# Altium PCB V1_PCB-main.PcbDoc (part 2 of 7)
Units mm, origin at the board's own origin, x right, y up, seen from the top; angles counter-clockwise.
Board outline 178 x 75 mm, 4 copper layers (Top Layer, Inner layer 1, Inner layer 2, Bottom Layer), stack 1.596 mm thick; 451 components, 230 nets, 1388 pads, 724 vias.
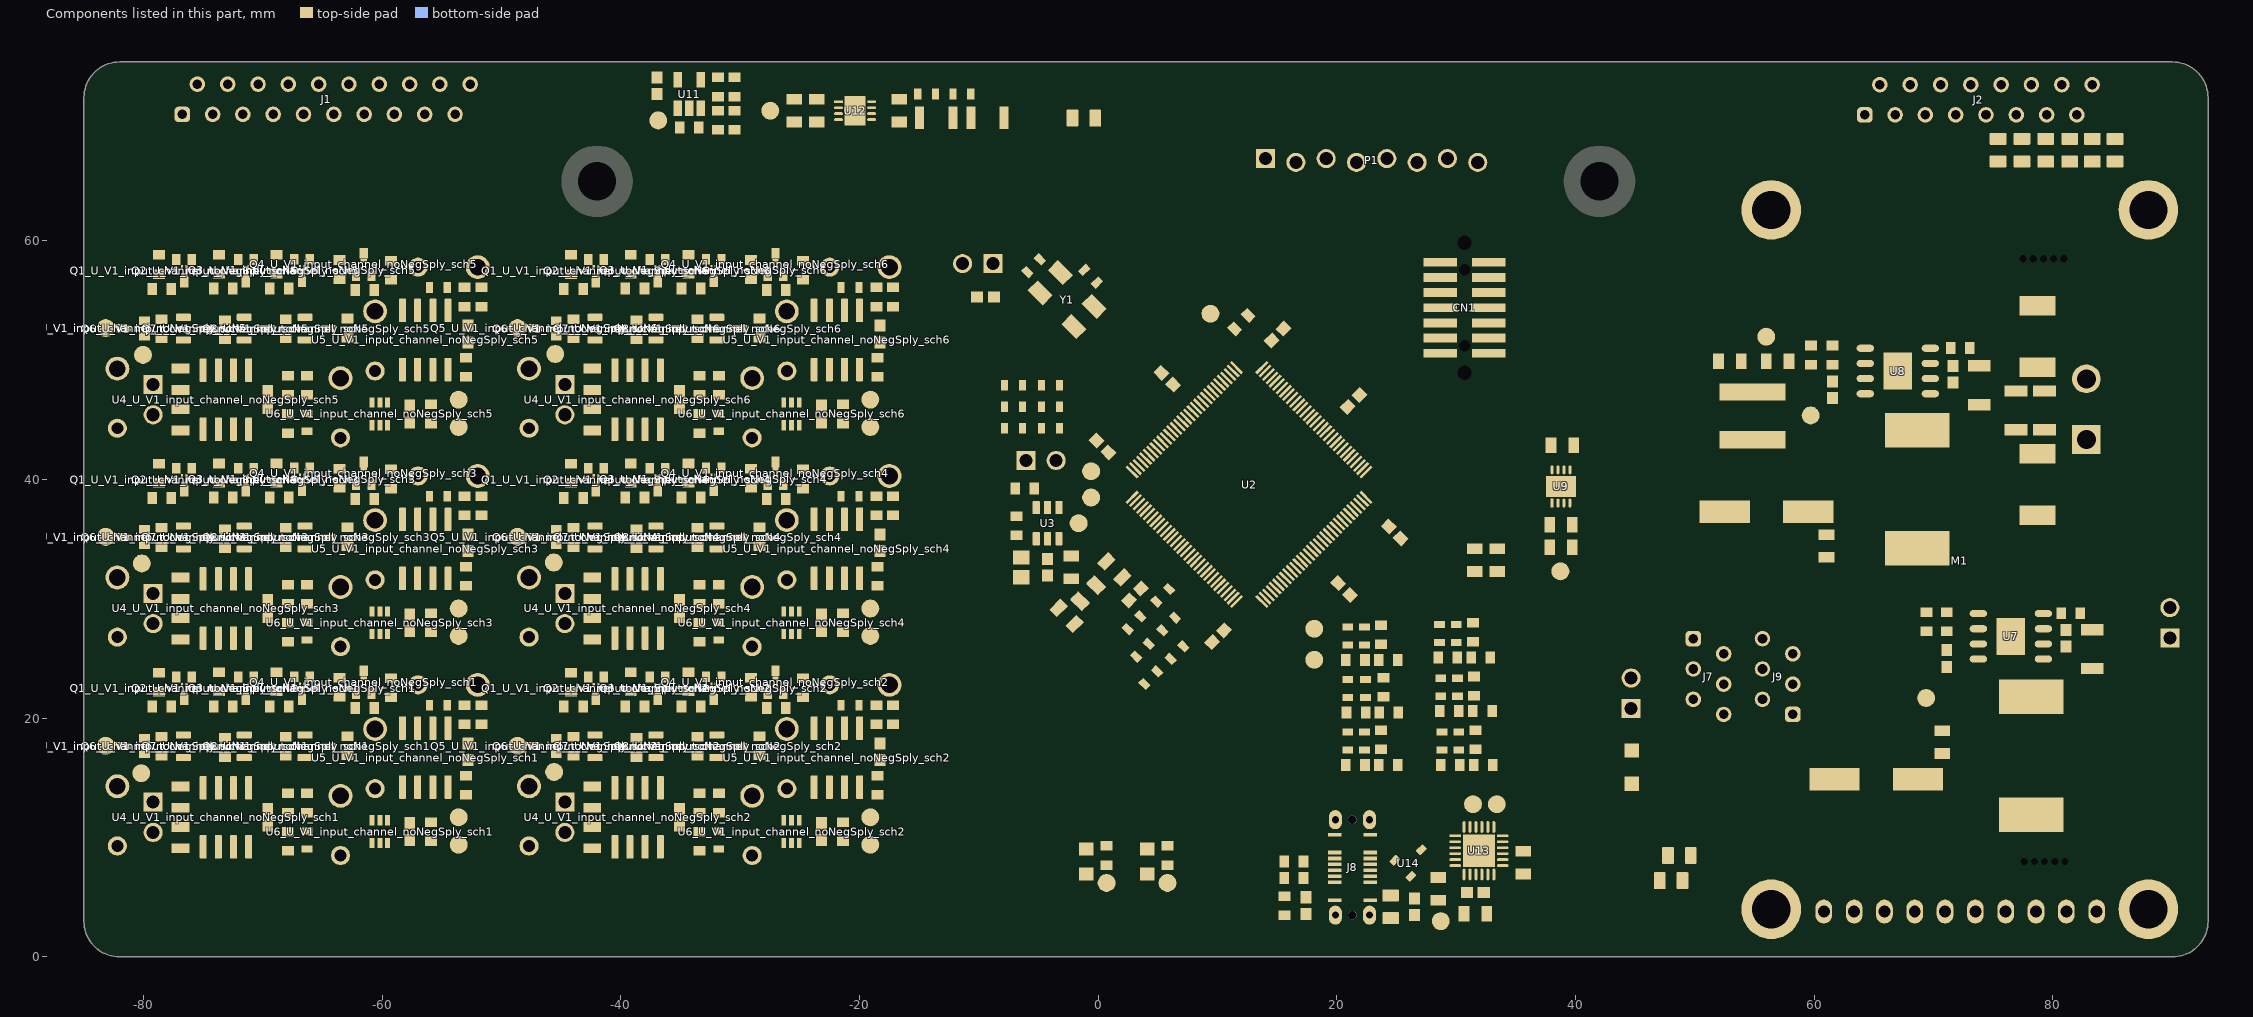
[diagram p4: the components of this part, seen from the top]

## Components (designator, comment, footprint, x,y, rotation, side; value= is the part's Value field where it differs from the comment) (continued)
R22_U_V1_input_channel_noNegSply_sch4 "PN_R0603_TBD" FPR_0603_R_R0 -18.6,37.8 r270 top value=TBD (schematic designator R22)
R22_U_V1_input_channel_noNegSply_sch5 "PN_R0603_TBD" FPR_0603_R_R0 -53.1,55.3 r270 top value=TBD (schematic designator R22)
R22_U_V1_input_channel_noNegSply_sch6 "PN_R0603_TBD" FPR_0603_R_R0 -18.6,55.3 r270 top value=TBD (schematic designator R22)
R23_U_V1_input_channel_noNegSply_sch1 "PN_R0603_10k" FPR_0603_R_R0 -61.475,20.875 r180 top value=10k (schematic designator R23)
R23_U_V1_input_channel_noNegSply_sch2 "PN_R0603_10k" FPR_0603_R_R0 -26.975,20.875 r180 top value=10k (schematic designator R23)
R23_U_V1_input_channel_noNegSply_sch3 "PN_R0603_10k" FPR_0603_R_R0 -61.475,38.375 r180 top value=10k (schematic designator R23)
R23_U_V1_input_channel_noNegSply_sch4 "PN_R0603_10k" FPR_0603_R_R0 -26.975,38.375 r180 top value=10k (schematic designator R23)
R23_U_V1_input_channel_noNegSply_sch5 "PN_R0603_10k" FPR_0603_R_R0 -61.475,55.875 r180 top value=10k (schematic designator R23)
R23_U_V1_input_channel_noNegSply_sch6 "PN_R0603_10k" FPR_0603_R_R0 -26.975,55.875 r180 top value=10k (schematic designator R23)
R24_U_V1_input_channel_noNegSply_sch1 "PN_R0603_10k" FPR_0603_R_R0 -59.25,22.55 r270 top value=10k (schematic designator R24)
R24_U_V1_input_channel_noNegSply_sch2 "PN_R0603_10k" FPR_0603_R_R0 -24.75,22.55 r270 top value=10k (schematic designator R24)
R24_U_V1_input_channel_noNegSply_sch3 "PN_R0603_10k" FPR_0603_R_R0 -59.25,40.05 r270 top value=10k (schematic designator R24)
R24_U_V1_input_channel_noNegSply_sch4 "PN_R0603_10k" FPR_0603_R_R0 -24.75,40.05 r270 top value=10k (schematic designator R24)
R24_U_V1_input_channel_noNegSply_sch5 "PN_R0603_10k" FPR_0603_R_R0 -59.25,57.55 r270 top value=10k (schematic designator R24)
R24_U_V1_input_channel_noNegSply_sch6 "PN_R0603_10k" FPR_0603_R_R0 -24.75,57.55 r270 top value=10k (schematic designator R24)
R25_U_V1_input_channel_noNegSply_sch1 "PN_R0603_22K_0%1_10ppm" FPR_0603_R_R0 -78.487,17.653 r90 top value=22k (schematic designator R25)
R25_U_V1_input_channel_noNegSply_sch2 "PN_R0603_22K_0%1_10ppm" FPR_0603_R_R0 -43.987,17.653 r90 top value=22k (schematic designator R25)
R25_U_V1_input_channel_noNegSply_sch3 "PN_R0603_22K_0%1_10ppm" FPR_0603_R_R0 -78.487,35.153 r90 top value=22k (schematic designator R25)
R25_U_V1_input_channel_noNegSply_sch4 "PN_R0603_22K_0%1_10ppm" FPR_0603_R_R0 -43.987,35.153 r90 top value=22k (schematic designator R25)
R25_U_V1_input_channel_noNegSply_sch5 "PN_R0603_22K_0%1_10ppm" FPR_0603_R_R0 -78.487,52.653 r90 top value=22k (schematic designator R25)
R25_U_V1_input_channel_noNegSply_sch6 "PN_R0603_22K_0%1_10ppm" FPR_0603_R_R0 -43.987,52.653 r90 top value=22k (schematic designator R25)
R26_U_V1_input_channel_noNegSply_sch1 "PN_R0603_2K2_0%1_10ppm" FPR_0603_R_R0 -73.187,17.553 r90 top value=2.2k (schematic designator R26)
R26_U_V1_input_channel_noNegSply_sch2 "PN_R0603_2K2_0%1_10ppm" FPR_0603_R_R0 -38.686,17.553 r90 top value=2.2k (schematic designator R26)
R26_U_V1_input_channel_noNegSply_sch3 "PN_R0603_2K2_0%1_10ppm" FPR_0603_R_R0 -73.187,35.053 r90 top value=2.2k (schematic designator R26)
R26_U_V1_input_channel_noNegSply_sch4 "PN_R0603_2K2_0%1_10ppm" FPR_0603_R_R0 -38.687,35.053 r90 top value=2.2k (schematic designator R26)
R26_U_V1_input_channel_noNegSply_sch5 "PN_R0603_2K2_0%1_10ppm" FPR_0603_R_R0 -73.187,52.553 r90 top value=2.2k (schematic designator R26)
R26_U_V1_input_channel_noNegSply_sch6 "PN_R0603_2K2_0%1_10ppm" FPR_0603_R_R0 -38.687,52.553 r90 top value=2.2k (schematic designator R26)
R27_U_V1_input_channel_noNegSply_sch1 "PN_R0603_10k" FPR_0603_R_R0 -55.9,10.5 r270 top value=10k (schematic designator R27)
R27_U_V1_input_channel_noNegSply_sch2 "PN_R0603_10k" FPR_0603_R_R0 -21.4,10.5 r270 top value=10k (schematic designator R27)
R27_U_V1_input_channel_noNegSply_sch3 "PN_R0603_10k" FPR_0603_R_R0 -55.9,28 r270 top value=10k (schematic designator R27)
R27_U_V1_input_channel_noNegSply_sch4 "PN_R0603_10k" FPR_0603_R_R0 -21.4,28 r270 top value=10k (schematic designator R27)
R27_U_V1_input_channel_noNegSply_sch5 "PN_R0603_10k" FPR_0603_R_R0 -55.9,45.5 r270 top value=10k (schematic designator R27)
R27_U_V1_input_channel_noNegSply_sch6 "PN_R0603_10k" FPR_0603_R_R0 -21.4,45.5 r270 top value=10k (schematic designator R27)
R28_U_V1_input_channel_noNegSply_sch1 "PN_R0603_220R_0%1_10ppm" FPR_0603_R_R0 -68.087,17.653 r90 top value=220 (schematic designator R28)
R28_U_V1_input_channel_noNegSply_sch2 "PN_R0603_220R_0%1_10ppm" FPR_0603_R_R0 -33.587,17.653 r90 top value=220 (schematic designator R28)
R28_U_V1_input_channel_noNegSply_sch3 "PN_R0603_220R_0%1_10ppm" FPR_0603_R_R0 -68.087,35.153 r90 top value=220 (schematic designator R28)
R28_U_V1_input_channel_noNegSply_sch4 "PN_R0603_220R_0%1_10ppm" FPR_0603_R_R0 -33.587,35.153 r90 top value=220 (schematic designator R28)
R28_U_V1_input_channel_noNegSply_sch5 "PN_R0603_220R_0%1_10ppm" FPR_0603_R_R0 -68.087,52.653 r90 top value=220 (schematic designator R28)
R28_U_V1_input_channel_noNegSply_sch6 "PN_R0603_220R_0%1_10ppm" FPR_0603_R_R0 -33.587,52.653 r90 top value=220 (schematic designator R28)
R29_U_V1_input_channel_noNegSply_sch1 "PN_R0603_22R_0%1_10ppm" FPR_0603_R_R0 -62.9,17.7 r90 top value=22 (schematic designator R29)
R29_U_V1_input_channel_noNegSply_sch2 "PN_R0603_22R_0%1_10ppm" FPR_0603_R_R0 -28.4,17.7 r90 top value=22 (schematic designator R29)
R29_U_V1_input_channel_noNegSply_sch3 "PN_R0603_22R_0%1_10ppm" FPR_0603_R_R0 -62.9,35.2 r90 top value=22 (schematic designator R29)
R29_U_V1_input_channel_noNegSply_sch4 "PN_R0603_22R_0%1_10ppm" FPR_0603_R_R0 -28.4,35.2 r90 top value=22 (schematic designator R29)
R29_U_V1_input_channel_noNegSply_sch5 "PN_R0603_22R_0%1_10ppm" FPR_0603_R_R0 -62.9,52.7 r90 top value=22 (schematic designator R29)
R29_U_V1_input_channel_noNegSply_sch6 "PN_R0603_22R_0%1_10ppm" FPR_0603_R_R0 -28.4,52.7 r90 top value=22 (schematic designator R29)
R30_U_V1_input_channel_noNegSply_sch1 "PN_R0603_100R" FPR_0603_R_R0 -63.6,22.6 r270 top value=100 (schematic designator R30)
R30_U_V1_input_channel_noNegSply_sch2 "PN_R0603_100R" FPR_0603_R_R0 -29.1,22.6 r270 top value=100 (schematic designator R30)
R30_U_V1_input_channel_noNegSply_sch3 "PN_R0603_100R" FPR_0603_R_R0 -63.6,40.1 r270 top value=100 (schematic designator R30)
R30_U_V1_input_channel_noNegSply_sch4 "PN_R0603_100R" FPR_0603_R_R0 -29.1,40.1 r270 top value=100 (schematic designator R30)
R30_U_V1_input_channel_noNegSply_sch5 "PN_R0603_100R" FPR_0603_R_R0 -63.6,57.6 r270 top value=100 (schematic designator R30)
R30_U_V1_input_channel_noNegSply_sch6 "PN_R0603_100R" FPR_0603_R_R0 -29.1,57.6 r270 top value=100 (schematic designator R30)
R31 "PN_R0603_64k9" FPR_0603_R_R0 81.5,28.8 r180 top value=64.9k
R32 "PN_R0603_232k" FPR_0603_R_R0 69.4,28.1 r270 top value=232k
R33 "PN_R0603_10k" FPR_0603_R_R0 71.1,28.1 r90 top value=10k
R34 "PN_R0603_64k9" FPR_0603_R_R0 72.225,51.035 r180 top value=64.9k
R35 "PN_R0603_110k" FPR_0603_R_R0 59.725,50.435 r270 top value=110k
R36 "PN_R0603_10k" FPR_0603_R_R0 61.525,50.435 r90 top value=10k
R37 "PN_R0603_10k" FPR_0603_R_R0 -30.475,70.1 r90 top value=10k
R38 "PN_R0603_10k" FPR_0603_R_R0 -31.875,70.1 r270 top value=10k
R39 "PN_R0603_10k" FPR_0603_R_R0 -30.475,72.9 r90 top value=10k
R40 "PN_R0603_10k" FPR_0603_R_R0 -31.875,72.9 r90 top value=10k
R41 "PN_R0603_10k" FPR_0603_R_R0 -34.275,69.5 r0 top value=10k
R42 "PN_R0603_5k1" FPR_0603_R_R0 16.4,8 r180 top value=5.1K
R43 "PN_R0603_5k1" FPR_0603_R_R0 16.4,6.6 r180 top value=5.1K
R44 "PN_R0603_10k" FPR_0603_R_R0 15.6,4.3 r270 top value=10k
R45 "PN_R0603_TBD" FPR_0603_R_R0 24.3,24.9 r0 top value=TBD
R46 "PN_R0603_TBD" FPR_0603_R_R0 21.55,24.9 r0 top value=TBD
R47 "PN_R0603_TBD" FPR_0603_R_R0 32.05,25.1 r0 top value=TBD
R48 "PN_R0603_TBD" FPR_0603_R_R0 29.3,25.1 r0 top value=TBD
R49 "PN_R0603_TBD" FPR_0603_R_R0 24.35,20.5 r0 top value=TBD
R50 "PN_R0603_TBD" FPR_0603_R_R0 21.6,20.5 r0 top value=TBD
R51 "PN_R0603_TBD" FPR_0603_R_R0 32.2,20.6 r0 top value=TBD
R52 "PN_R0603_TBD" FPR_0603_R_R0 29.4,20.6 r0 top value=TBD
R53 "PN_R0603_TBD" FPR_0603_R_R0 24.3,16.1 r0 top value=TBD
R54 "PN_R0603_TBD" FPR_0603_R_R0 21.55,16.1 r0 top value=TBD
R55 "PN_R0603_TBD" FPR_0603_R_R0 32.25,16.1 r0 top value=TBD
R56 "PN_R0603_TBD" FPR_0603_R_R0 29.5,16.1 r0 top value=TBD
R57 "PN_R0603_TBD" FPR_0603_R_R0 31.5,22.7 r90 top value=TBD
R58 "PN_R0603_TBD" FPR_0603_R_R0 23.7,18.2 r90 top value=TBD
R59 "PN_R0603_TBD" FPR_0603_R_R0 31.6,18.2 r90 top value=TBD
TP1 "Test Point" "Test Point 1.5mm SMD" 5.8,6.2 r0 top
TP2 "Test Point" "Test Point 1.5mm SMD" 9.4,53.9 r90 top
TP3 "Test Point" "Test Point 1.5mm SMD" 0.7,6.2 r90 top
TP4 "Test Point" "Test Point 1.5mm SMD" -1.646,36.346 r0 top
TP5_U_V1_input_channel_noNegSply_sch1 "Test Point" "Test Point 1.5mm SMD" -80.2,15.4 r0 top (schematic designator TP5)
TP5_U_V1_input_channel_noNegSply_sch2 "Test Point" "Test Point 1.5mm SMD" -45.6,15.5 r0 top (schematic designator TP5)
TP5_U_V1_input_channel_noNegSply_sch3 "Test Point" "Test Point 1.5mm SMD" -80.15,32.975 r0 top (schematic designator TP5)
TP5_U_V1_input_channel_noNegSply_sch4 "Test Point" "Test Point 1.5mm SMD" -45.625,33.05 r0 top (schematic designator TP5)
TP5_U_V1_input_channel_noNegSply_sch5 "Test Point" "Test Point 1.5mm SMD" -80.05,50.45 r0 top (schematic designator TP5)
TP5_U_V1_input_channel_noNegSply_sch6 "Test Point" "Test Point 1.5mm SMD" -45.5,50.525 r0 top (schematic designator TP5)
TP6_U_V1_input_channel_noNegSply_sch1 "Test Point" "Test Point 1.5mm SMD" -53.6,11.7 r0 top (schematic designator TP6)
TP6_U_V1_input_channel_noNegSply_sch2 "Test Point" "Test Point 1.5mm SMD" -19.1,11.7 r0 top (schematic designator TP6)
TP6_U_V1_input_channel_noNegSply_sch3 "Test Point" "Test Point 1.5mm SMD" -53.6,29.2 r0 top (schematic designator TP6)
TP6_U_V1_input_channel_noNegSply_sch4 "Test Point" "Test Point 1.5mm SMD" -19.1,29.2 r0 top (schematic designator TP6)
TP6_U_V1_input_channel_noNegSply_sch5 "Test Point" "Test Point 1.5mm SMD" -53.6,46.7 r0 top (schematic designator TP6)
TP6_U_V1_input_channel_noNegSply_sch6 "Test Point" "Test Point 1.5mm SMD" -19.1,46.7 r0 top (schematic designator TP6)
TP7 "Test Point" "Test Point 1.5mm SMD" -0.6,40.7 r90 top
TP8 "Test Point" "Test Point 1.5mm SMD" -0.6,38.5 r90 top
TP9_U_V1_input_channel_noNegSply_sch1 "Test Point" "Test Point 1.5mm SMD" -53.6,9.4 r0 top (schematic designator TP9)
TP9_U_V1_input_channel_noNegSply_sch2 "Test Point" "Test Point 1.5mm SMD" -19.1,9.4 r0 top (schematic designator TP9)
TP9_U_V1_input_channel_noNegSply_sch3 "Test Point" "Test Point 1.5mm SMD" -53.6,26.9 r0 top (schematic designator TP9)
TP9_U_V1_input_channel_noNegSply_sch4 "Test Point" "Test Point 1.5mm SMD" -19.1,26.9 r0 top (schematic designator TP9)
TP9_U_V1_input_channel_noNegSply_sch5 "Test Point" "Test Point 1.5mm SMD" -53.6,44.4 r0 top (schematic designator TP9)
TP9_U_V1_input_channel_noNegSply_sch6 "Test Point" "Test Point 1.5mm SMD" -19.1,44.4 r0 top (schematic designator TP9)
TP10 "Test Point" "Test Point 1.5mm SMD" 18.1,24.9 r90 top
TP11 "Test Point" "Test Point 1.5mm SMD" 18.1,27.5 r90 top
TP12 "Test Point" "Test Point 1.5mm SMD" 69.375,21.7 r270 top
TP13 "Test Point" "Test Point 1.5mm SMD" 59.7,45.375 r270 top
TP14 "Test Point" "Test Point 1.5mm SMD" 55.975,51.975 r270 top
TP15 "Test Point" "Test Point 1.5mm SMD" 38.725,32.313 r0 top
TP17 "Test Point" "Test Point 1.5mm SMD" -36.875,70.1 r90 top
TP18 "Test Point" "Test Point 1.5mm SMD" -27.482,70.916 r270 top
TP19 "Test Point" "Test Point 1.5mm SMD" 28.7,3 r90 top
TP20 "Test Point" "Test Point 1.5mm SMD" 31.4,12.8 r90 top
TP21 "Test Point" "Test Point 1.5mm SMD" 33.4,12.8 r90 top
TP22_U_V1_input_channel_noNegSply_sch1 "Test Point" "Test Point 1.5mm SMD" -83.175,17.7 r0 top (schematic designator TP22)
TP22_U_V1_input_channel_noNegSply_sch2 "Test Point" "Test Point 1.5mm SMD" -48.675,17.7 r0 top (schematic designator TP22)
TP22_U_V1_input_channel_noNegSply_sch3 "Test Point" "Test Point 1.5mm SMD" -83.175,35.2 r0 top (schematic designator TP22)
TP22_U_V1_input_channel_noNegSply_sch4 "Test Point" "Test Point 1.5mm SMD" -48.675,35.2 r0 top (schematic designator TP22)
TP22_U_V1_input_channel_noNegSply_sch5 "Test Point" "Test Point 1.5mm SMD" -83.175,52.7 r0 top (schematic designator TP22)
TP22_U_V1_input_channel_noNegSply_sch6 "Test Point" "Test Point 1.5mm SMD" -48.675,52.7 r0 top (schematic designator TP22)
U2 "STM32G474QET6" LPQFP-128 12.644,39.576 r315 top
U3 "REF35300QDBVR" FP-DBV0006A-MFG -4.246,36.346 r270 top
U4_U_V1_input_channel_noNegSply_sch1 "MAX4460ESAT" SOIC127P600X175-8N -73.1,11.7 r270 top (schematic designator U4)
U4_U_V1_input_channel_noNegSply_sch2 "MAX4460ESAT" SOIC127P600X175-8N -38.6,11.7 r270 top (schematic designator U4)
U4_U_V1_input_channel_noNegSply_sch3 "MAX4460ESAT" SOIC127P600X175-8N -73.1,29.2 r270 top (schematic designator U4)
U4_U_V1_input_channel_noNegSply_sch4 "MAX4460ESAT" SOIC127P600X175-8N -38.6,29.2 r270 top (schematic designator U4)
U4_U_V1_input_channel_noNegSply_sch5 "MAX4460ESAT" SOIC127P600X175-8N -73.1,46.7 r270 top (schematic designator U4)
U4_U_V1_input_channel_noNegSply_sch6 "MAX4460ESAT" SOIC127P600X175-8N -38.6,46.7 r270 top (schematic designator U4)
U5_U_V1_input_channel_noNegSply_sch1 "MAX4460ESAT" SOIC127P600X175-8N -56.4,16.7 r270 top (schematic designator U5)
U5_U_V1_input_channel_noNegSply_sch2 "MAX4460ESAT" SOIC127P600X175-8N -21.9,16.7 r270 top (schematic designator U5)
U5_U_V1_input_channel_noNegSply_sch3 "MAX4460ESAT" SOIC127P600X175-8N -56.4,34.2 r270 top (schematic designator U5)
U5_U_V1_input_channel_noNegSply_sch4 "MAX4460ESAT" SOIC127P600X175-8N -21.9,34.2 r270 top (schematic designator U5)
U5_U_V1_input_channel_noNegSply_sch5 "MAX4460ESAT" SOIC127P600X175-8N -56.4,51.7 r270 top (schematic designator U5)
U5_U_V1_input_channel_noNegSply_sch6 "MAX4460ESAT" SOIC127P600X175-8N -21.9,51.7 r270 top (schematic designator U5)
U6_U_V1_input_channel_noNegSply_sch1 "MAX9619AXT+T" X6SN+1_N -60.2,10.5 r270 top (schematic designator U6)
U6_U_V1_input_channel_noNegSply_sch2 "MAX9619AXT+T" X6SN+1_N -25.7,10.5 r270 top (schematic designator U6)
U6_U_V1_input_channel_noNegSply_sch3 "MAX9619AXT+T" X6SN+1_N -60.2,28 r270 top (schematic designator U6)
U6_U_V1_input_channel_noNegSply_sch4 "MAX9619AXT+T" X6SN+1_N -25.7,28 r270 top (schematic designator U6)
U6_U_V1_input_channel_noNegSply_sch5 "MAX9619AXT+T" X6SN+1_N -60.2,45.5 r270 top (schematic designator U6)
U6_U_V1_input_channel_noNegSply_sch6 "MAX9619AXT+T" X6SN+1_N -25.7,45.5 r270 top (schematic designator U6)
U7 "LMR38020" LMR38020-footprint 76.475,26.865 r180 top
U8 "LMR38020" LMR38020-footprint 67,49.1 r180 top
U9 "ADP7105ACPZ-3.3-R7" FP-CP-8-5-IPC_C 38.775,39.425 r90 top
U11 "AD8531ARTZ-REEL7" ADI-RJ-5_M -34.275,72.3 r90 top
U12 "ADP7105ACPZ-5.0-R7" FP-CP-8-5-IPC_C -20.382,70.916 r0 top
U13 "CP2104-F03-GMR" FP-CP2104-F03-GMR-IPC_A 31.9,8.9 r0 top
U14 "TPD2E009DBZR" DBZ0003A_L 26.3,8.2 r45 top
Y1 "ABM3B-8.000MHZ-10-1-U-T" FP-ABM3B-MFG -2.607,55.077 r135 top

## Footprints (in the part's own frame and the unit in brackets; to place one, negate y for a bottom-side part, rotate by r counter-clockwise, add the part's x,y. Pads: shape width x height; smd on the part's side, far side on the other; paste and mask are expansions set on the pad)
61300211121 [mm] "Pin Header, pitch 2.54 mm, THT, Vertical, single row, 2p"
  rect 1.6x1.6 hole 1.1: 1(-1.27,0)
  round 1.6 hole 1.1: 2(1.27,0)
  silkscreen extent -2.69,-1.35 2.69,1.35, body extent -2.54,-1.27 2.54,1.27, height 8.57
61300811121 [mm] "Pin Header, pitch 2.54 mm, THT, Vertical, single row, 8p"
  rect 1.6x1.6 hole 1.1: 1(-8.89,0.16)
  round 1.6 hole 1.1: 2(-6.35,-0.16) 3(-3.81,0.16) 4(-1.27,-0.16) 5(1.27,0.16) 6(3.81,-0.16) 7(6.35,0.16) 8(8.89,-0.16)
  silkscreen extent -10.31,-1.35 10.31,1.35, body extent -10.16,-1.27 10.16,1.27, height 8.57
690368190672 [mm] "MiniModule Connectors, PCB Type, Female, THT, Angled, 6p"
  rrect50% 1.3x1.3 hole 0.8: 1(3.175,1.35)
  round 1.3 hole 0.8: 2(1.905,-1.19) 3(0.635,1.35) 4(-0.635,-1.19) 5(-1.905,1.35) 6(-3.175,-1.19)
  silkscreen extent -6.26,-2.65 6.26,2.65, body extent -6.11,-2.5 6.11,2.5, height 5.85
690368191672 [mm] "MiniModule Connectors, PCB Type, Female, THT, Angled, 16p"
  rrect50% 1.3x1.3 hole 0.8: 1(9.525,1.35)
  round 1.3 hole 0.8: 2(8.255,-1.19) 3(6.985,1.35) 4(5.715,-1.19) 5(4.445,1.35) 6(3.175,-1.19) 7(1.905,1.35) 8(0.635,-1.19) 9(-0.635,1.35) 10(-1.905,-1.19) 11(-3.175,1.35) 12(-4.445,-1.19) 13(-5.715,1.35) 14(-6.985,-1.19) 15(-8.255,1.35) 16(-9.525,-1.19)
  silkscreen extent -12.61,-2.65 12.61,2.65, body extent -12.46,-2.5 12.46,2.5, height 5.85
690368192072 [mm] "MiniModule Connectors, PCB Type, Female, THT, Angled, 20p"
  rrect50% 1.3x1.3 hole 0.8: 1(12.065,1.35)
  round 1.3 hole 0.8: 2(10.795,-1.19) 3(9.525,1.35) 4(8.255,-1.19) 5(6.985,1.35) 6(5.715,-1.19) 7(4.445,1.35) 8(3.175,-1.19) 9(1.905,1.35) 10(0.635,-1.19) 11(-0.635,1.35) 12(-1.905,-1.19) 13(-3.175,1.35) 14(-4.445,-1.19) 15(-5.715,1.35) 16(-6.985,-1.19) 17(-8.255,1.35) 18(-9.525,-1.19) 19(-10.795,1.35) 20(-12.065,-1.19)
  silkscreen extent -15.15,-2.65 15.15,2.65, body extent -15,-2.5 15,2.5, height 5.85
691317510002 [mm] "5,08mm - PCB Horizontal Closed With flanges - 02p"
  rect 2.4x2.4 hole 1.6: 1(-2.54,4)
  round 2.4 hole 1.6: 2(2.54,4)
  silkscreen extent -10.16,-6 10.16,6, body extent -10.16,-6 10.16,6, height 8.55
ADI-RJ-5_M [mm] "SOT-23, 5-Leads, Body 2.9x1.6mm, Pitch 0.95mm, IPC Low Density"
  rect 1.3x0.7 smd: 1(-1.2,0.95) 2(-1.2,0) 3(-1.2,-0.95) 4(1.2,-0.95) 5(1.2,0.95)
  silkscreen extent -1.32,-1.5 0.15,1.97, body extent -0.85,-1.5 0.85,1.5, height 1.45
CON_STDC14_Receiver_MEDIUM_WITH_MIPI10_3D [mm] "FTSH-107-01-L-DV-K-A"
  round 0 hole 1.19 unplated mask+0.05: 0(-5.445,0) 0(5.445,0)
  round 0 hole 0.97 unplated mask+0.05: 0(-3.175,0) 0(3.175,0)
  rect 0.74x2.79 smd mask+0.05: 1(-3.81,-2.032) 2(-3.81,2.032) 3(-2.54,-2.032) 4(-2.54,2.032) 5(-1.27,-2.032) 6(-1.27,2.032) 7(0,-2.032) 8(0,2.032) 9(1.27,-2.032) 10(1.27,2.032) 11(2.54,-2.032) 12(2.54,2.032) 13(3.81,-2.032) 14(3.81,2.032)
  silkscreen extent -6.3,-4.37 6.3,3.6, body extent -6.3,-2.92 6.3,2.92, height 6.6
DBZ0003A_L [mm] "SOT23, 3-Leads, Body 3.04x1.4mm, Pitch 0.95mm, IPC High Density"
  rrect18% 0.8x0.55 smd: 1(-1.1,0.95) 2(-1.1,-0.95) 3(1.1,0)
  silkscreen extent -1.22,-1.5 0.7,1.9, body extent -1.26,-1.46 1.26,1.46, height 0.96
"DFN985X585X50-3N + SC-70 backup" [mm]
  rect 0.9x0.7 smd paste+0 mask+0: 1(-0.95,0.65) 2(-0.95,-0.65) 3(0.95,0)
  rect 0.29x0.18 smd: 1(-0.325,0.175) 2(-0.325,-0.175)
  rect 0.29x0.53 smd: 3(0.325,0)
  silkscreen extent -0.13,-1.1 0.67,1.1, body extent -1.5,-1.2 1.5,1.2, height 0.5
FP-150080SS75000-MFG [mm]
  rect 1.1x1.2 smd paste+0 mask+0: 1(-1.05,0) 2(1.05,0)
  silkscreen extent -2.27,-0.67 0.12,0.68, body extent -1.7,-0.77 1.7,0.77, height 0.25
FP-885012206095-IPC_B [mm]
  rect 1.009x0.912 smd paste+0 mask+0: 1(-0.702,0) 2(0.702,0)
  silkscreen extent -1.21,-0.86 1.21,0.86, body extent -1.46,-0.71 1.46,0.71, height 0.25
FP-885012207078-IPC_B [mm]
  rect 1.206x1.362 smd paste+0 mask+0: 1(-0.826,0) 2(0.826,0)
  silkscreen extent -1.43,-1.08 1.43,1.08, body extent -1.68,-0.93 1.68,0.93, height 0.25
FP-885012208094-IPC_B [mil]
  rect 37.59x75.05 smd paste+0 mask+0: 1(-64,0) 2(64,0)
  silkscreen extent -30,-31 30,31, body extent -93,-47 93,47, height 10
FP-ABM3B-MFG [mm]
  rect 1.8x1.2 smd paste+0 mask+0: 1(-2,-1.2) 2(2,-1.2) 3(2,1.2) 4(-2,1.2)
  silkscreen extent -2.55,-2.5 2.55,1.65, body extent -3,-1.9 3,1.9, height 0.25
FP-CP2104-F03-GMR-IPC_A [mm]
  rect 0.979x0.239 smd paste+0 mask+0: 1(-1.99,1.25)
  rrect100% 0.979x0.239 smd paste+0 mask+0: 2(-1.99,0.75) 3(-1.99,0.25) 4(-1.99,-0.25) 5(-1.99,-0.75) 6(-1.99,-1.25) 13(1.99,-1.25) 14(1.99,-0.75) 15(1.99,-0.25) 16(1.99,0.25) 17(1.99,0.75) 18(1.99,1.25)
  rrect100% 0.239x0.979 smd paste+0 mask+0: 7(-1.25,-1.99) 8(-0.75,-1.99) 9(-0.25,-1.99) 10(0.25,-1.99) 11(0.75,-1.99) 12(1.25,-1.99) 19(1.25,1.99) 20(0.75,1.99) 21(0.25,1.99) 22(-0.25,1.99) 23(-0.75,1.99) 24(-1.25,1.99)
  rect 2.7x2.7 smd paste-1000 mask+0: 25(0,0)
  silkscreen extent -3.4,-2 2,2, body extent -2.98,-2.98 2.98,2.98, height 0.25
FP-CP-8-5-IPC_C [mm]
  rect 0.736x0.239 smd paste+0 mask+0: 1(-1.388,0.75)
  rrect100% 0.736x0.239 smd paste+0 mask+0: 2(-1.388,0.25) 3(-1.388,-0.25) 4(-1.388,-0.75) 5(1.388,-0.75) 6(1.388,-0.25) 7(1.388,0.25) 8(1.388,0.75)
  rect 1.74x2.48 smd paste-1000 mask+0: 9(0,0)
  silkscreen extent -2.28,-1.5 1.5,1.5, body extent -1.86,-1.6 1.86,1.6, height 0.25
FP-DBV0006A-MFG [mm]
  rrect17% 1.1x0.6 smd paste+0 mask+0: 1(-1.3,0.95) 2(-1.3,0) 3(-1.3,-0.95) 4(1.3,-0.95) 5(1.3,0) 6(1.3,0.95)
  silkscreen extent -2.52,-1.52 0.35,1.52, body extent -1.95,-1.78 1.95,1.77, height 0.25
FP-SOD123W-MFG [mm]
  rect 1.2x1.2 smd paste-1000 mask+0: 1(-1.4,0) 2(1.4,0)
  silkscreen extent -2.85,-0.95 0.42,0.95, body extent -2.2,-1.05 2.2,1.05, height 0.25
FPR_0603_C_R0 [mm] "SMD Reflow"
  rect 0.6x0.9 smd: 1(-0.75,0) 2(0.75,0)
  silkscreen extent -1.17,-0.6 1.18,0.6, body extent -0.8,-0.4 0.8,0.4, height 0.32
FPR_0603_R_R0 [mm] "SMD Reflow"
  rect 0.8x1 smd: 1(-0.8,0) 2(0.8,0)
  silkscreen extent -1.28,-0.58 1.29,0.58, body extent -0.8,-0.41 0.8,0.41, height 0.47
FPR_0805_R_R0 [mm] "SMD Reflow"
  rect 0.83x1.5 smd: 1(-0.895,0) 2(0.895,0)
  silkscreen extent -1.4,-0.84 1.38,0.83, body extent -1,-0.62 1,0.63, height 0.8
FPR_1216_R_R0 [mil] "SMD Reflow"
  rect 30x75 smd: 1(-55,0) 2(55,0)
  silkscreen extent -80,-47 80,47, body extent -63,-32 63,31, height 40
GCT_USB4145-03-0170-C_REVA2 [mm]
  rect 0.3x1.15 smd: A1(-2.75,1.485) A4(-1.25,1.485) A5(-0.75,1.485) A6(-0.25,1.485) A7(0.25,1.485) A8(0.75,1.485) A9(1.25,1.485) A12(2.75,1.485) B1(2.75,-1.485) B4(1.25,-1.485) B5(0.75,-1.485) B6(0.25,-1.485) B7(-0.25,-1.485) B8(-0.75,-1.485) B9(-1.25,-1.485) B12(-2.75,-1.485)
  oval 1.6x1.1 hole 0.6 slot 1.1 at 0 deg: S1(-4,1.43) S2(4,1.43) S3(-4,-1.43) S4(4,-1.43)
  round 0.71 hole 0.71 unplated: ""(-4,0) ""(4,0)
  silkscreen extent -2.85,-1.58 2.28,2.76, body extent -4.48,-1.89 4.47,1.8, height 7.46
LMR38020-footprint [mm] "HSOIC with PowerPAD"
  oval 1.45x0.6 smd: 1(-2.725,1.905) 2(-2.725,0.635) 3(-2.725,-0.635) 4(-2.725,-1.905) 5(2.725,-1.905) 6(2.725,-0.635) 7(2.725,0.635) 8(2.725,1.905)
  rect 2.4x3.1 smd: 9(0,0)
  silkscreen extent -2.85,-2.5 1.6,2.88, body extent -3,-2.5 3,2.5, height 1.75
LPQFP-128 [mil]
  rect 53.28x9 smd paste+0 mask+0: 1(-302.14,243.35) 2(-302.14,227.65) 3(-302.14,211.95) 4(-302.14,196.25) 5(-302.14,180.55) 6(-302.14,164.85) 7(-302.14,149.15) 8(-302.14,133.45) 9(-302.14,117.75) 10(-302.14,102.05) 11(-302.14,86.35) 12(-302.14,70.65) 13(-302.14,54.95) 14(-302.14,39.25) 15(-302.14,23.55) 16(-302.14,7.85) 17(-302.14,-7.85) 18(-302.14,-23.55) 19(-302.14,-39.25) 20(-302.14,-54.95) 21(-302.14,-70.65) 22(-302.14,-86.35) 23(-302.14,-102.05) 24(-302.14,-117.75) 25(-302.14,-133.45) 26(-302.14,-149.15) 27(-302.14,-164.85) 28(-302.14,-180.55) 29(-302.14,-196.25) 30(-302.14,-211.95) 31(-302.14,-227.65) 32(-302.14,-243.35) 65(302.14,-243.35) 66(302.14,-227.65) 67(302.14,-211.95) 68(302.14,-196.25) 69(302.14,-180.55) 70(302.14,-164.85) 71(302.14,-149.15) 72(302.14,-133.45) 73(302.14,-117.75) 74(302.14,-102.05) 75(302.14,-86.35) 76(302.14,-70.65) 77(302.14,-54.95) 78(302.14,-39.25) 79(302.14,-23.55) 80(302.14,-7.85) 81(302.14,7.85) 82(302.14,23.55) 83(302.14,39.25) 84(302.14,54.95) 85(302.14,70.65) 86(302.14,86.35) 87(302.14,102.05) 88(302.14,117.75) 89(302.14,133.45) 90(302.14,149.15) 91(302.14,164.85) 92(302.14,180.55) 93(302.14,196.25) 94(302.14,211.95) 95(302.14,227.65) 96(302.14,243.35)
  rect 9x53.28 smd paste+0 mask+0: 33(-243.35,-302.14) 34(-227.65,-302.14) 35(-211.95,-302.14) 36(-196.25,-302.14) 37(-180.55,-302.14) 38(-164.85,-302.14) 39(-149.15,-302.14) 40(-133.45,-302.14) 41(-117.75,-302.14) 42(-102.05,-302.14) 43(-86.35,-302.14) 44(-70.65,-302.14) 45(-54.95,-302.14) 46(-39.25,-302.14) 47(-23.55,-302.14) 48(-7.85,-302.14) 49(7.85,-302.14) 50(23.55,-302.14) 51(39.25,-302.14) 52(54.95,-302.14) 53(70.65,-302.14) 54(86.35,-302.14) 55(102.05,-302.14) 56(117.75,-302.14) 57(133.45,-302.14) 58(149.15,-302.14) 59(164.85,-302.14) 60(180.55,-302.14) 61(196.25,-302.14) 62(211.95,-302.14) 63(227.65,-302.14) 64(243.35,-302.14) 97(243.35,302.14) 98(227.65,302.14) 99(211.95,302.14) 100(196.25,302.14) 101(180.55,302.14) 102(164.85,302.14) 103(149.15,302.14) 104(133.45,302.14) 105(117.75,302.14) 106(102.05,302.14) 107(86.35,302.14) 108(70.65,302.14) 109(54.95,302.14) 110(39.25,302.14) 111(23.55,302.14) 112(7.85,302.14) 113(-7.85,302.14) 114(-23.55,302.14) 115(-39.25,302.14) 116(-54.95,302.14) 117(-70.65,302.14) 118(-86.35,302.14) 119(-102.05,302.14) 120(-117.75,302.14) 121(-133.45,302.14) 122(-149.15,302.14) 123(-164.85,302.14) 124(-180.55,302.14) 125(-196.25,302.14) 126(-211.95,302.14) 127(-227.65,302.14) 128(-243.35,302.14)